# Altium PCB 稳压板STM32.PcbDoc (continued)
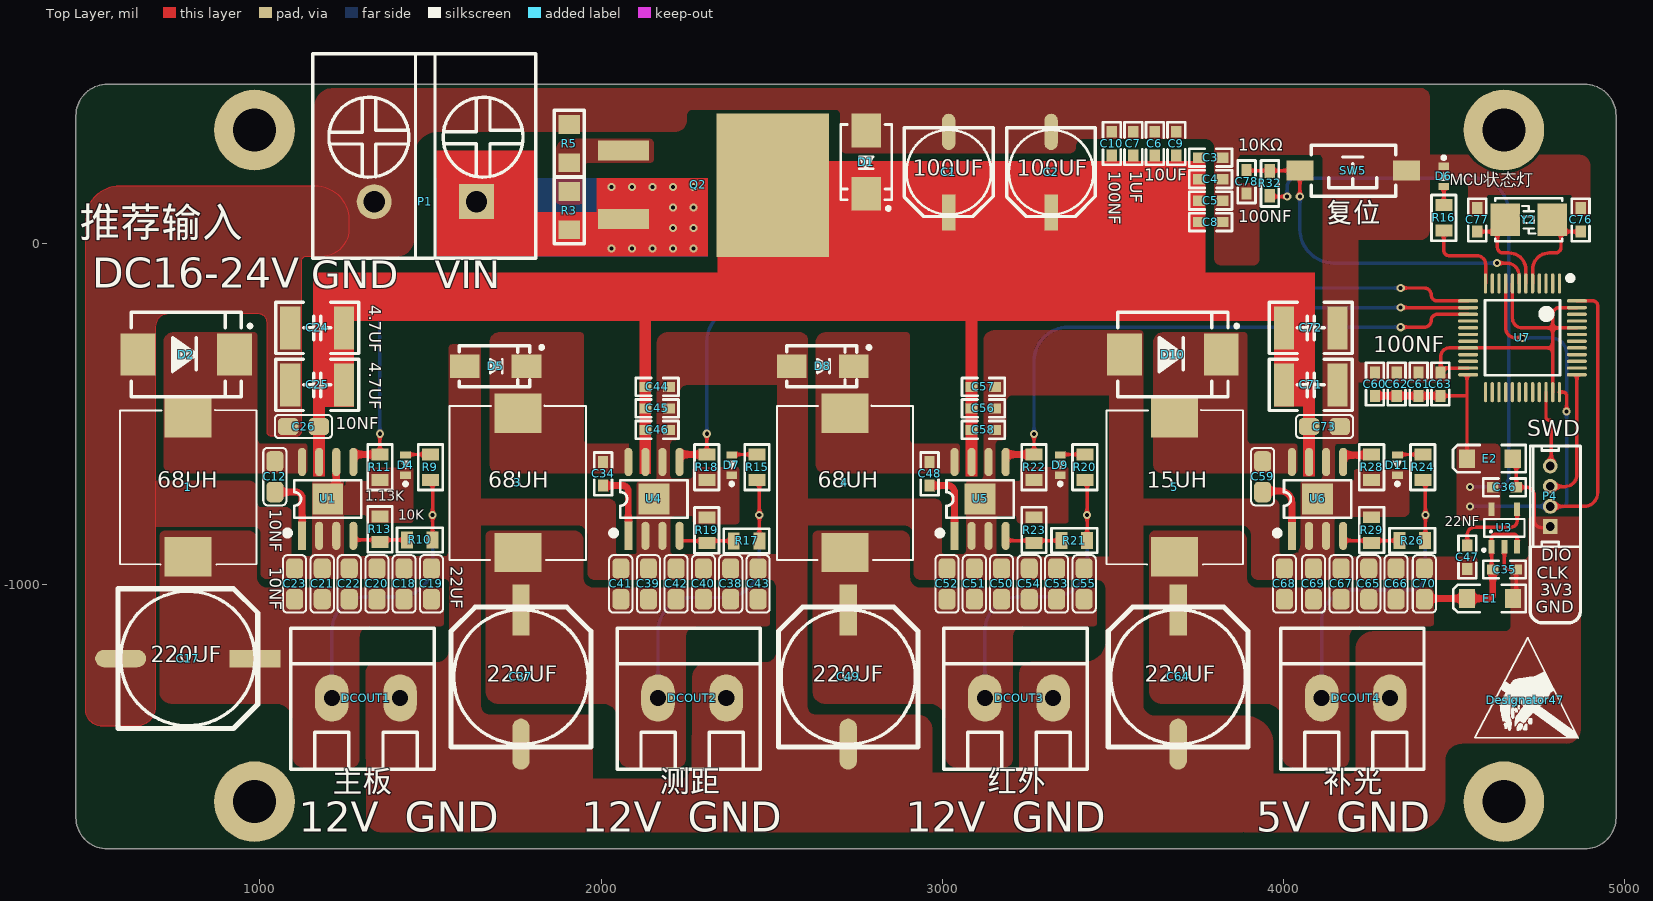
[diagram p0: Top Layer view]
## Nets (pads, with @x,y where several pads share a name; then routed paths per layer and width w, separated by ;. In a path a pad name is that pad's centre, name@x,y a point inside that pad or via, vN(x,y) a via of type N, cw(c..) or ccw(c..) an arc to the next point about the centre after c; other vN are vias at no path point)
4V_5A: 5.2 C35.2 C64.1 C65.1 C66.1 C67.1 C68.1 C69.1 C70.1 DCOUT4.1 E1.1 R24.1 R26.2 U3.1 U3.3 | length 1453.5
  Top Layer w10: R24.1 cw(c4408.37,-700.26) 4416,-700.26 v1(4416,-795) 4416,-869.08 cw(c4414.84,-869.08) R26.2 ; C70.1 cw(c4414.96,-1042) C70.1@4414.96,-1040.02 ; C35.2 cw(c4613.37,-951.63) 4610,-951.63 U3.1 4610,-863 cw(c4621,-863) 4621,-852 4676.8,-852 cw(c4676.8,-860) 4684.8,-860 U3.3
  Top Layer w20: C70.1@4414.96,-1040.02 E1.1 4601,-1040.02 ccw(c4601,-1027.65) 4613.37,-1027.65 C35.2
  Bottom Layer w10: DCOUT4.1 4112,-1106 cw(c4203,-1106) 4203,-1015 4370,-1015 ccw(c4370,-969) 4416,-969 v1(4416,-795)
12V_2A: 1.2 C17.1 C18.1 C19.1 C20.1 C21.1 C22.1 C23.1 DCOUT1.1 R9.1 R10.2 | length 925.5
  Top Layer w10: R9.1 cw(c1499.96,-699.1) 1506.42,-699.1 v1(1506.42,-795) R10.2
  Bottom Layer w10: DCOUT1.1 1211,-1135 cw(c1311,-1135) 1311,-1035 1406.42,-1035 ccw(c1406.42,-935) 1506.42,-935 v1(1506.42,-795)
12V_150mA: 4.2 C49.1 C50.1 C51.1 C52.1 C53.1 C54.1 C55.1 DCOUT3.1 R20.1 R21.2 | length 931.5
  Top Layer w10: R20.1 cw(c3417.94,-699.1) 3424.4,-699.1 v1(3424.4,-795) R21.2
  Bottom Layer w10: DCOUT3.1 3125,-1135 cw(c3225,-1135) 3225,-1035 3324.4,-1035 ccw(c3324.4,-935) 3424.4,-935 v1(3424.4,-795)
12V_600mA: 3.2 C37.1 C38.1 C39.1 C40.1 C41.1 C42.1 C43.1 DCOUT2.1 R15.1 R17.2 | length 929.9
  Top Layer w10: R15.1 cw(c2457.34,-699.1) 2463.8,-699.1 v1(2463.8,-795) R17.2
  Bottom Layer w10: DCOUT2.1 2167,-1137 cw(c2267,-1137) 2267,-1037 2363.8,-1037 ccw(c2363.8,-937) 2463.8,-937 v1(2463.8,-795)
DGND: C1.2 C2.2 C3.2 C4.2 C5.2 C6.2 C7.2 C8.2 C9.2 C10.2 C17.2 C18.2 C19.2 C20.2 C21.2 C22.2 C23.2 C24.1 C25.1 C26.1 C35.1 C36.1 C37.2 C38.2 C39.2 C40.2 C41.2 C42.2 C43.2 C44.1 C45.1 C46.1 C47.1 C49.2 C50.2 C51.2 C52.2 C53.2 C54.2 C55.2 C56.1 C57.1 C58.1 C60.2 C61.2 C62.2 C63.2 C64.2 C65.2 C66.2 C67.2 C68.2 C69.2 C70.2 C71.1 C72.1 C73.1 C76.2 C77.2 C78.1 D1.1 D2.1 D4.2 D5.1 D6.2 D7.2 D8.1 D9.2 D10.1 D11.2 DCOUT1.2 DCOUT2.2 DCOUT3.2 DCOUT4.2 E1.2 E2.2 P1.2 P4.1 R5.1 R11.2 R13.2 R18.2 R19.2 R22.2 R23.2 R28.2 R29.2 SW5.1 U1.2 U1.3 U1.6 U1.9 U3.2 U4.2 U4.3 U4.6 U4.9 U5.2 U5.3 U5.6 U5.9 U6.2 U6.3 U6.6 U6.9 U7.8 U7.20 U7.23 U7.35 U7.44 U7.47 | length 1702.9
  Top Layer w10: U1.9@1199,-748.27 ccw(c1199,-723.27) U1.9@1224,-723.27 ; C63.2 ccw(c4460,-375.97) 4461,-375.97 C63.2@4461,-372.09 ; U7.23 4472.39,-364.58 ccw(c4472.39,-376.97) C63.2@4461,-372.09 ; U3.2 4647.4,-942.4 ccw(c4660,-942.4) 4660,-955 C35.1 4682.37,-1030.01 cw(c4672.36,-1030.01) E1.2 ccw(c4674.35,-1040.02) E1.2@4674.35,-1042 ; U7.8 4671.09,-218.09 ccw(c4700,-218.09) 4700,-247 4789.2,-247 ; E2.2 cw(c4671.93,-640.68) 4682.37,-640.68 C36.1 4712,-714 cw(c4712,-737) 4735,-737 4735,-811 ccw(c4756,-811) 4756,-832 4779.06,-832 ccw(c4779.06,-829.06) P4.1 ; U7.35 4789.2,-305.53 ; U7.44 4859.91,-247 4789.2,-247 ; U7.47 4808.78,-187.42 ccw(c4808.78,-207) 4789.2,-207 4789.2,-247 ; C63.2@4461,-372.09 4461,-331 cw(c4486.47,-331) 4486.47,-305.53 U7.20 4789.2,-305.53 ; 4789.2,-305.53 4789.2,-247
  Top Layer w20: C24.1@1083,-253.36 cw(c1089.35,-253.36) C24.1 ; U1.9@1224,-723.27 U1.6@1224,-640
MCU-3.3V: C36.2 C60.1 C61.1 C62.1 C63.1 E2.1 P4.2 R32.2 U3.5 U7.9 U7.24 U7.36 U7.48 | length 4172.3
  Top Layer w10: R32.2 3959.5,140 3961.5,138 v1(4011,138) ; C63.1 4536.1,-445.97 ccw(c4536.1,-444) 4538.07,-444 ; E2.1@4538.5,-630.24 E2.1 4538.07,-444 ; U7.24 ccw(c4541.32,-387.52) 4538.07,-387.52 4538.07,-444 ; C36.2@4610,-717.37 cw(c4613.37,-717.37) C36.2 ; U7.9 4651.4,-247.4 ccw(c4680,-247.4) 4680,-276 v1(4701,-276) ; P4.2 4881,-770 ccw(c4881,-730) 4921,-730 4921,-182 ccw(c4906.73,-182) 4906.73,-167.73 U7.48 ; U7.36 4819.29,-435.29 cw(c4819.29,-446) 4830,-446 v1(4830,-492)
  Top Layer w20: C60.1 C62.1 C61.1 C63.1
  Bottom Layer w10: v1(4011,138) 4011,168 cw(c4035,168) 4035,192 4560,192 cw(c4560,92) 4660,92 4660,-683 cw(c4630,-683) 4630,-713 v1(4547,-713) ; v1(4701,-276) 4784.24,-276 cw(c4784.24,-321.76) 4830,-321.76 v1(4830,-492) 4830,-757 cw(c4816,-757) 4816,-771 4783,-771 cw(c4783,-770) P4.2 v1(4547,-770) ; v1(4547,-770) ccw(c4547,-773) 4544,-773 v1(4547,-770)
MCU-RESET: C78.2 R32.1 SW5.2 U7.7 | length 1071.9
  Top Layer w10: C78.2 ccw(c3894,216) 3894,214 SW5.2 v1(4048,138) ; v1(4626,-57) 4654,-57 cw(c4654,-93.77) 4690.77,-93.77 U7.7
  Bottom Layer w10: v1(4048,138) 4048,43 ccw(c4148,43) 4148,-57 v1(4626,-57)
Net1_1: 1.1 C12.1 D2.2 U1.8
Net3_1: 3.1 C34.1 D5.2 U4.8
Net4_1: 4.1 C48.1 D8.2 U5.8
Net5_1: 5.1 C59.1 D10.2 U6.8
NetC12_2: C12.2 U1.1 | length 200.5
  Top Layer w20: C12.2 1105.96,-728 cw(c1105.96,-746.04) 1124,-746.04 U1.1
NetC34_2: C34.2 U4.1 | length 215.5
  Top Layer w10: U4.1 ccw(c2080,-855.27) U4.1@2081,-855.27
  Top Layer w20: C34.2 2063,-709 cw(c2063,-726) 2080,-726 U4.1
NetC47_2: C47.2 U3.4 | length 235.7
  Top Layer w10: C47.2 4538.5,-884 4538.5,-853 cw(c4560.5,-853) 4560.5,-831 4667,-831 ccw(c4667,-813.2) 4684.8,-813.2 U3.4
NetC48_2: C48.2 U5.1 | length 212
  Top Layer w20: C48.2 3016,-709 cw(c3016,-729) 3036,-729 U5.1
NetC59_2: C59.2 U6.1 | length 204.7
  Top Layer w20: C59.2 cw(c3942,-728) 3942,-725 3991,-725 cw(c3991,-759) 4025,-759 U6.1
NetD4_1: D4.1 R9.2 | length 73.9
  Top Layer w10: D4.1 cw(c1428.64,-619.47) 1428.64,-617.83 R9.2
NetD6_1: D6.1 R16.2 | length 54.7
  Top Layer w10: R16.2 D6.1
NetD7_1: D7.1 R15.2 | length 75.3
  Top Layer w10: D7.1 cw(c2384.64,-619.47) 2384.64,-617.83 R15.2
NetD9_1: D9.1 R20.2 | length 72.9
  Top Layer w10: D9.1 cw(c3347.64,-619.47) 3347.64,-617.83 R20.2
NetD11_1: D11.1 R24.2 | length 75.3
  Top Layer w10: D11.1 cw(c4335.64,-619.47) 4335.64,-617.83 R24.2
NetQ2_1: Q2.1 R3.1 R5.2
NetR10_1: R10.1 R13.1 U1.4 | length 167.8
  Top Layer w10: U1.4@1274,-868.24 R13.1@1358.48,-868.24 ; R13.1 cw(c1358.48,-874.71) R13.1@1358.48,-868.24 ; R10.1 R13.1@1358.48,-868.24
NetR17_1: R17.1 R19.1 U4.4 | length 167.5
  Top Layer w10: U4.4 ccw(c2244.97,-856.27) 2244.97,-871.24 R17.1
NetR21_1: R21.1 R23.1 U5.4 | length 157.6
  Top Layer w10: U5.4@3191.98,-870.24 3276.45,-870.24 R21.1
NetR26_1: R26.1 R29.1 U6.4 | length 157.6
  Top Layer w10: U6.4@4182.42,-870.24 4266.9,-870.24 R26.1
NetR28_1: R28.1 U6.5 | length 80
  Top Layer w20: U6.5@4180.4,-619.82 4258.4,-619.82 R28.1
PA0-WKUP: U7.10
PA1: U7.11
PA2-LED: R16.1 U7.12 | length 259.7
  Top Layer w10: R16.1 4470,-20 ccw(c4485,-20) 4485,-35 4567,-35 cw(c4567,-60.35) 4592.35,-60.35 U7.12
PA3-EN: R11.1 U1.5 U7.13 | length 3755.7
  Top Layer w10: R11.1 v1(1352,-557) ; v1(4343.58,-130) 4413,-130 cw(c4413,-150) 4433,-150 ccw(c4450.73,-150) 4450.73,-167.73 U7.13
  Top Layer w20: U1.5 1274,-617.82 R11.1
  Bottom Layer w10: v1(1352,-557) 1352,-230 cw(c1452,-230) 1452,-130 v1(4343.58,-130)
PA4-EN: R18.1 U4.5 U7.14 | length 2720.7
  Top Layer w10: R18.1 v1(2310,-557) ; v1(4343.58,-187.42) U7.14
  Top Layer w20: U4.5 2230,-617.82 R18.1
  Bottom Layer w10: v1(2310,-557) 2310,-287.42 cw(c2410,-287.42) 2410,-187.42 v1(4343.58,-187.42)
PA5-EN: R22.1 U5.5 U7.15 | length 1729.1
  Top Layer w10: R22.1 v1(3269,-558) ; v1(4343.58,-244.83) 4413,-244.83 ccw(c4413,-224.83) 4433,-224.83 cw(c4450.73,-224.83) 4450.73,-207.1 U7.15
  Top Layer w20: U5.5 3186,-617.82 R22.1
  Bottom Layer w10: v1(3269,-558) 3269,-344.83 cw(c3369,-344.83) 3369,-244.83 v1(4343.58,-244.83)
PA6-EN: U7.16
PA7: U7.17
PA8: U7.29
PA9-TX: U7.30
PA10-RX: U7.31
PA11: U7.32
PA12: U7.33
PA15: U7.38
PB0: U7.18
PB1: U7.19
PB3: U7.39
PB4: U7.40
PB5: U7.41
PB6-EN: U7.42
PB7-EN: U7.43
PB8-EN: U7.45
PB9-EN: U7.46
PB10-SCL: U7.21
PB11-SDA: U7.22
PB12-KEY: U7.25
PB13-KEY: U7.26
PB14-KEY: U7.27
PB15-KEY: U7.28
PC13: U7.2
PC14-OSC32-IN: U7.3
PC15-OSC32-OUT: U7.4
PD0-OSC-IN: C76.1 U7.5 Y2.2 | length 311.2
  Top Layer w10: U7.5 4730.14,-76.46 cw(c4779.6,-76.46) 4779.6,-27 4797.39,-27 ccw(c4797.39,-11) 4813.39,-11 Y2.2@4813.39,36.31 ; Y2.2 ccw(c4822.88,69.99) Y2.2@4813.39,36.31 ; C76.1 4822.88,35 cw(c4822.88,69.99) Y2.2@4813.39,36.31
PD1-OSC-OUT: C77.1 U7.6 Y2.1 | length 311.1
  Top Layer w10: C77.1 4615.12,35 ccw(c4615.12,69.99) Y2.1@4627.2,37.15 ; Y2.1 cw(c4615.12,69.99) Y2.1@4627.2,37.15 ; U7.6 4710.46,-76.46 ccw(c4661,-76.46) 4661,-27 4643.2,-27 cw(c4643.2,-11) 4627.2,-11 Y2.1@4627.2,37.15
SWD-CLK: P4.3 U7.37 | length 391.3
  Top Layer w10: P4.3 ccw(c4783.06,-710.94) 4783.06,-712 4825,-712 ccw(c4825,-677.09) 4859.91,-677.09 U7.37
SWD-DIO: P4.4 U7.34 | length 227.2
  Top Layer w10: U7.34 4769.51,-508.51 ccw(c4778,-508.51) 4778,-517 cw(c4778,-524) 4785,-524 4785,-648.89 cw(c4782,-648.89) P4.4
VCC-24V: C1.1 C2.1 C3.1 C4.1 C5.1 C6.1 C7.1 C8.1 C9.1 C10.1 C24.2 C25.2 C26.2 C44.2 C45.2 C46.2 C56.2 C57.2 C58.2 C71.2 C72.2 C73.2 D1.2 Q2.4 U1.7 U4.7 U5.7 U6.7
VIN-24V: P1.1 Q2.3 R3.2
  other v1: 2031,-14 2031,-14 2091,-14 2091,-14 2091,-14 2151,-14 2151,-14 2151,-14 2211,-14 2211,-14 2211,-14 2211,-14 2211,-14 2211,-14 2211,-14 2211,-14 2211,-14 2211,-14 2211,-14 2271,-14 2271,-14 2271,-14 2211,46 2211,46 2211,46 2211,46 2211,46 2271,46 2271,46 2271,46 2271,46 2271,46 2271,46 2271,46 2211,106 2211,106 2211,106 2211,106 2211,106 2211,106 2211,106 2271,106 2271,106 2271,106 2271,106 2271,106 2031,166 2031,166 2091,166 2091,166 2091,166 2151,166 2151,166 2151,166 2211,166 2211,166 2211,166 2211,166 2211,166 2211,166 2211,166 2271,166 2271,166 2271,166 2271,166 2271,166 2271,166 2271,166
pads on no net: U7.1

## Polygon pours and split planes (outlines as drawn)
DGND on Top Layer "NONET_L01_P-001" (solid, remove dead copper, pour order 286): 4115,-394 4115,247 ccw(c4101,247) 4101,261 cw(c4101,276) 4086,276 4086,288 cw(c4104,288) 4104,306 4156.95,306 cw(c4156.95,243.95) 4219,243.95 4219,-340 ccw(c4228,-340) 4228,-349 4483,-349 cw(c4483,-355) 4489,-355 4489,-401 cw(c4484,-401) 4484,-406 4142,-406 ccw(c4142,-415) 4133,-415
DGND on Top Layer "NONET_L01_P-001" (solid, remove dead copper, pour order 284): 1158,-38 1401,-38 ccw(c1401,12) 1451,12 1451,255 cw(c1524,255) 1524,328 2218,328 ccw(c2218,361) 2251,361 2251,375 cw(c2269,375) 2269,393 2686,393 cw(c2686,378) 2701,378 2701,281 ccw(c2717,281) 2717,265 3373,265 ccw(c3373,284) 3392,284 3392,288 cw(c3411,288) 3411,307 3772,307 cw(c3772,282) 3797,282 3797,-42.27 ccw(c3817.73,-42.27) 3817.73,-63 3912,-63 ccw(c3912,-46) 3929,-46 3929,159.72 ccw(c3911.72,159.72) 3911.72,177 3876,177 cw(c3876,187) 3866,187 3866,247 cw(c3880,247) 3880,261 4101,261 cw(c4101,234) 4128,234 4128,66 ccw(c4183,66) 4183,11 4400,11 ccw(c4400,40) 4429,40 4429,429 ccw(c4402,429) 4402,456 1214,456 ccw(c1214,402) 1160,402 1160,63 ccw(c1174,63) 1174,49
no net on Top Layer "NONET_L01_P-001" (solid, pour order 278): 732,-206 ccw(c732,-244) 694,-244 694,-1356 cw(c635,-1356) 635,-1415 538.72,-1415 cw(c538.72,-1366.28) 490,-1366.28 490,70 cw(c590,70) 590,170 1161,170 cw(c1161,70) 1261,70 1261,43 cw(c1180,43) 1180,-38 1136,-38 ccw(c1136,-53) 1121,-53 1121,-552 cw(c1109,-552) 1109,-564 1033,-564 cw(c1033,-552) 1021,-552 1021,-231 ccw(c996,-231) 996,-206
DGND on Top Layer "NONET_L01_P-001" (solid, pour order 272): 732,-206 ccw(c732,-244) 694,-244 694,-1356 cw(c635,-1356) 635,-1415 538.72,-1415 cw(c538.72,-1366.28) 490,-1366.28 490,70 cw(c590,70) 590,170 1161,170 cw(c1161,70) 1261,70 1261,43 cw(c1180,43) 1180,-38 1136,-38 ccw(c1136,-53) 1121,-53 1121,-552 cw(c1109,-552) 1109,-564 1033,-564 cw(c1033,-552) 1021,-552 1021,-231 ccw(c996,-231) 996,-206
DGND on Top Layer "NONET_L01_P-001" (solid, pour order 276): 4219,260.75 4867.25,260.75 cw(c4867.25,229) 4899,229 4899,88 cw(c4892,88) 4892,81 4853,81 cw(c4853,87) 4847,87 4847,135 ccw(c4838,135) 4838,144 4605,144 ccw(c4605,133) 4594,133 4594,87 cw(c4586,87) 4586,79 4552,79 cw(c4552,89) 4542,89 4542,165 ccw(c4519,165) 4519,188 4203.76,188 cw(c4203.76,192) 4199.76,192
DGND on Top Layer "NONET_L01_P-001" (solid, pour order 274): 668,-694.24 966.72,-694.24 cw(c966.72,-719) 991.48,-719 991.48,-758.48 ccw(c1006,-758.48) 1006,-773 1079,-773 cw(c1079,-786) 1092,-786 1092,-964.61 cw(c1074.61,-964.61) 1074.61,-982 1018,-982 cw(c1018,-967) 1003,-967 1003,-849.06 ccw(c983,-849.06) 983,-829.06 672.06,-829.06 cw(c672.06,-809) 652,-809
MCU-3.3V on Top Layer "NONET_L01_P-001" (solid, remove dead copper, pour order 268): 4635,-799 cw(c4623,-799) 4623,-811 4523.23,-811 cw(c4523.23,-795.83) 4508.07,-795.83 4508.07,-598.07 cw(c4520,-598.07) 4520,-586.13 4619.13,-586.13 cw(c4619.13,-602) 4635,-602
DGND on Top Layer "NONET_L01_P-001" (solid, remove dead copper, pour order 266): 3880.35,-1725 4374,-1725 ccw(c4374,-1625) 4474,-1625 4474,-1514 cw(c4522,-1514) 4522,-1466 4826,-1466 ccw(c4826,-1420) 4872,-1420 4872,-807 ccw(c4864.91,-807) 4864.91,-799.91 4725.52,-799.91 ccw(c4725.52,-806.43) 4719,-806.43 4719,-908 cw(c4701,-908) 4701,-926 4670,-926 ccw(c4670,-930) 4666,-930 4666,-1120.1 cw(c4650.1,-1120.1) 4650.1,-1136 4265,-1136 ccw(c4265,-1189) 4212,-1189 4212,-1539 cw(c4198,-1539) 4198,-1553 3925.02,-1553 ccw(c3925.02,-1556) 3922.02,-1556
DGND on Top Layer "NONET_L01_P-001" (solid, pour order 264): 4115,-394 4115,-679 cw(c4098,-679) 4098,-696 4058,-696 ccw(c4058,-704) 4050,-704 4050,-882.05 cw(c4021.38,-882.05) 4021.38,-910.67 4015.25,-910.67 ccw(c4015.25,-923) 4002.92,-923 4002.92,-963.17 ccw(c4024.66,-963.17) 4024.66,-984.91 4555.09,-984.91 ccw(c4555.09,-972) 4568,-972 4568,-928.95 ccw(c4557,-928.95) 4557,-917.95 4160.95,-917.95 cw(c4160.95,-906) 4149,-906 4149,-812.91 cw(c4162,-812.91) 4162,-799.91 4354.09,-799.91 ccw(c4354.09,-786) 4368,-786 4368,-670.01 ccw(c4359,-670.01) 4359,-661.01 4214.99,-661.01 ccw(c4214.99,-669) 4207,-669 4207,-688 cw(c4198,-688) 4198,-697 4155.37,-697 cw(c4155.37,-692.63) 4151,-692.63 4151,-593 cw(c4158,-593) 4158,-586 4212,-586 ccw(c4212,-579) 4219,-579 4219,-356 ccw(c4210,-356) 4210,-347
DGND on Top Layer "NONET_L01_P-001" (solid, pour order 254): 3589,-425 3589,-1401 cw(c3543,-1401) 3543,-1447 cw(c3543,-1393) 3489,-1393 3489,-368
no net on Top Layer "NONET_L01_P-001" (solid, pour order 252): 3586,-945
DGND on Top Layer "NONET_L01_P-001" (solid, pour order 250): 3585,-825 3875,-825 cw(c3875,-856) 3906,-856 3906,-964.91 ccw(c3926,-964.91) 3926,-984.91 4022.09,-984.91 ccw(c4022.09,-972) 4035,-972 4035,-927.67 ccw(c4018,-927.67) 4018,-910.67 3995.91,-910.67 cw(c3995.91,-902.76) 3988,-902.76 3988,-769 ccw(c3966,-769) 3966,-747 3570,-747 ccw(c3570,-763) 3554,-763
DGND on Top Layer "NONET_L01_P-001" (solid, pour order 248): 2596,-825 2886,-825 cw(c2886,-856) 2917,-856 2917,-964.91 ccw(c2937,-964.91) 2937,-984.91 3033.09,-984.91 ccw(c3033.09,-972) 3046,-972 3046,-927.67 ccw(c3029,-927.67) 3029,-910.67 3006.91,-910.67 cw(c3006.91,-902.76) 2999,-902.76 2999,-769 ccw(c2977,-769) 2977,-747 2581,-747 ccw(c2581,-763) 2565,-763
DGND on Top Layer "NONET_L01_P-001" (solid, pour order 246): 1640,-825 1930,-825 cw(c1930,-856) 1961,-856 1961,-964.91 ccw(c1981,-964.91) 1981,-984.91 2077.09,-984.91 ccw(c2077.09,-972) 2090,-972 2090,-927.67 ccw(c2073,-927.67) 2073,-910.67 2050.91,-910.67 cw(c2050.91,-902.76) 2043,-902.76 2043,-769 ccw(c2021,-769) 2021,-747 1625,-747 ccw(c1625,-763) 1609,-763
DGND on Top Layer "NONET_L01_P-001" (solid, pour order 242): 3225,-1263 cw(c3263,-1263) 3263,-1225 3419,-1225 ccw(c3419,-1165) 3479,-1165 3479,-1013 ccw(c3451,-1013) 3451,-985 2997,-985 cw(c2997,-966) 2978,-966 2978,-922 cw(c2990,-922) 2990,-910 3059,-910 ccw(c3059,-898) 3071,-898 3071,-704 cw(c3081,-704) 3081,-694 3107,-694 ccw(c3107,-680) 3121,-680 3121,-285 cw(c3152,-285) 3152,-254 3578.66,-254 cw(c3578.66,-264.34) 3589,-264.34 3589,-425 cw(c3570,-425) 3570,-444 3207,-444 ccw(c3207,-464) 3187,-464 3187,-563.25 cw(c3174,-563.25) 3174,-576.25 3166.75,-576.25 ccw(c3166.75,-587) 3156,-587 3156,-690 ccw(c3163,-690) 3163,-697 3222,-697 ccw(c3222,-690) 3229,-690 3229,-663.58 cw(c3238,-663.58) 3238,-654.58 3361.98,-654.58 cw(c3361.98,-662.61) 3370,-662.61 3370,-810.07 cw(c3361,-810.07) 3361,-819.07 3227.77,-819.07 cw(c3227.77,-809) 3217.7,-809 3217.7,-803.7 ccw(c3211,-803.7) 3211,-797 3166,-797 ccw(c3166,-804) 3159,-804 3159,-910 ccw(c3167,-910) 3167,-918 3559,-918 cw(c3559,-945) 3586,-945 3586,-1344.05 ccw(c3625.95,-1344.05) 3625.95,-1384 3887.5,-1384 cw(c3887.5,-1467) 3970.5,-1467 3970.5,-1625 cw(c3870.5,-1625) 3870.5,-1725 2879,-1725 cw(c2879,-1683) 2837,-1683 2837,-1650 cw(c2937,-1650) 2937,-1550 3211,-1550 ccw(c3211,-1536) 3225,-1536
no net on Top Layer "NONET_L01_P-001" (solid, pour order 240): 2880.85,-1725
no net on Top Layer "NONET_L01_P-001" (solid, pour order 238): 2880.85,-1725
DGND on Top Layer "NONET_L01_P-001" (solid, pour order 234): 2606,-930 2606,-283.34 ccw(c2582.66,-283.34) 2582.66,-260 ccw(c2582.66,-326.66) 2516,-326.66 2516,-928 ccw(c2537,-928) 2537,-949
DGND on Top Layer "NONET_L01_P-001" (solid, pour order 232): 2267.01,-1348.24 2267.01,-1273.82 cw(c2314.01,-1273.82) 2314.01,-1226.82 2483.18,-1226.82 ccw(c2483.18,-1197) 2513.01,-1197 2513.01,-1004.53 ccw(c2493.01,-1004.53) 2493.01,-984.53 2034.53,-984.53 cw(c2034.53,-970) 2020.01,-970 2020.01,-923.67 cw(c2033.01,-923.67) 2033.01,-910.67 2096.34,-910.67 ccw(c2096.34,-902) 2105.01,-902 2105.01,-704.76 cw(c2113.01,-704.76) 2113.01,-696.76 2151.24,-696.76 ccw(c2151.24,-685) 2163.01,-685 2163.01,-292 cw(c2195.01,-292) 2195.01,-260 2579.01,-260 cw(c2579.01,-287) 2606.01,-287 2606.01,-404 cw(c2596.01,-404) 2596.01,-414 2252.01,-414 ccw(c2252.01,-436) 2230.01,-436 2230.01,-562 cw(c2216.01,-562) 2216.01,-576 2214.76,-576 ccw(c2214.76,-588.76) 2202.01,-588.76 2202.01,-679 ccw(c2212.01,-679) 2212.01,-689 2259.01,-689 ccw(c2259.01,-679) 2269.01,-679 2269.01,-664.58 cw(c2279.01,-664.58) 2279.01,-654.58 2396.98,-654.58 cw(c2396.98,-662.61) 2405.01,-662.61 2405.01,-812 cw(c2395.01,-812) 2395.01,-822 2277.01,-822 cw(c2277.01,-814) 2269.01,-814 2269.01,-803.08 ccw(c2263.92,-803.08) 2263.92,-798 2213.01,-798 ccw(c2213.01,-808) 2203.01,-808 2203.01,-901 ccw(c2212.01,-901) 2212.01,-910 2585.01,-910 cw(c2585.01,-930) 2605.01,-930 2605.01,-1357 ccw(c2628.01,-1357) 2628.01,-1380 2926.01,-1380 cw(c2926.01,-1425) 2971.01,-1425 2971.01,-1625 cw(c2871.01,-1625) 2871.01,-1725 1954.01,-1725 1954.01,-1586.41 cw(c1972.42,-1586.41) 1972.42,-1568 2229.01,-1568 ccw(c2229.01,-1531) 2266.01,-1531
DGND on Top Layer "NONET_L01_P-001" (solid, remove dead copper, pour order 228): 1241.99,-696 1314,-696 ccw(c1314,-690) 1320,-690 1320,-665 cw(c1328,-665) 1328,-657 1443,-657 cw(c1443,-664) 1450,-664 1450,-810 cw(c1442,-810) 1442,-818 1319,-818 cw(c1319,-811) 1312,-811 1312,-801 ccw(c1306,-801) 1306,-795 1207,-795 cw(c1207,-791) 1203,-791
no net on Top Layer "NONET_L01_P-001" (solid, pour order 226): 1241.99,-696
DGND on Top Layer "NONET_L01_P-001" (solid, remove dead copper, pour order 224): 1311,-1339 1311,-1255 cw(c1339,-1255) 1339,-1227 1518,-1227 ccw(c1518,-1190) 1555,-1190 1555,-997 ccw(c1540,-997) 1540,-982 1077,-982 cw(c1077,-970) 1065,-970 1065,-927 cw(c1076,-927) 1076,-916 1144,-916 ccw(c1144,-906) 1154,-906 1154,-701 cw(c1159,-701) 1159,-696 1241,-696 cw(c1241,-701) 1246,-701 1246,-907 ccw(c1255,-907) 1255,-916 1541,-916 ccw(c1541,-904) 1553,-904 1553,-308 cw(c1566,-308) 1566,-295 1638,-295 cw(c1638,-304) 1647,-304 1647,-1351 ccw(c1677,-1351) 1677,-1381 1959,-1381 cw(c1959,-1398) 1976,-1398 1976,-1725 1355,-1725 cw(c1355,-1682) 1312,-1682
4V_5A on Top Layer "NONET_L01_P-001" (solid, remove dead copper, pour order 222): 3867.48,-842 cw(c3867.48,-867) 3892.48,-867 3892.48,-977.48 ccw(c3923,-977.48) 3923,-1008 4426,-1008 cw(c4426,-1022) 4440,-1022 4440,-1112 cw(c4430,-1112) 4430,-1122 4225,-1122 ccw(c4225,-1154) 4193,-1154 4193,-1510 cw(c4167,-1510) 4167,-1536 4031,-1536 cw(c4031,-1502) 3997,-1502 3997,-1398 ccw(c3947,-1398) 3947,-1348 3643,-1348 cw(c3643,-1312) 3607,-1312 3607,-856.96 cw(c3621.96,-856.96) 3621.96,-842
12V_150mA on Top Layer "NONET_L01_P-001" (solid, remove dead copper, pour order 220): 2880.48,-842 cw(c2880.48,-867) 2905.48,-867 2905.48,-977.48 ccw(c2936,-977.48) 2936,-1008 3439,-1008 cw(c3439,-1022) 3453,-1022 3453,-1112 cw(c3443,-1112) 3443,-1122 3238,-1122 ccw(c3238,-1154) 3206,-1154 3206,-1510 cw(c3180,-1510) 3180,-1536 3044,-1536 cw(c3044,-1502) 3010,-1502 3010,-1398 ccw(c2960,-1398) 2960,-1348 2656,-1348 cw(c2656,-1312) 2620,-1312 2620,-856.96 cw(c2634.96,-856.96) 2634.96,-842
12V_600mA on Top Layer "NONET_L01_P-001" (solid, remove dead copper, pour order 218): 1922.48,-842 cw(c1922.48,-867) 1947.48,-867 1947.48,-977.48 ccw(c1978,-977.48) 1978,-1008 2481,-1008 cw(c2481,-1022) 2495,-1022 2495,-1112 cw(c2485,-1112) 2485,-1122 2280,-1122 ccw(c2280,-1154) 2248,-1154 2248,-1510 cw(c2222,-1510) 2222,-1536 2086,-1536 cw(c2086,-1502) 2052,-1502 2052,-1398 ccw(c2002,-1398) 2002,-1348 1698,-1348 cw(c1698,-1312) 1662,-1312 1662,-856.96 cw(c1676.96,-856.96) 1676.96,-842
12V_2A on Top Layer "NONET_L01_P-001" (solid, remove dead copper, pour order 216): 966.48,-842 cw(c966.48,-867) 991.48,-867 991.48,-977.48 ccw(c1022,-977.48) 1022,-1008 1525,-1008 cw(c1525,-1022) 1539,-1022 1539,-1112 cw(c1529,-1112) 1529,-1122 1324,-1122 ccw(c1324,-1154) 1292,-1154 1292,-1510 cw(c1266,-1510) 1266,-1536 1130,-1536 cw(c1130,-1502) 1096,-1502 1096,-1398 ccw(c1046,-1398) 1046,-1348 742,-1348 cw(c742,-1312) 706,-1312 706,-856.96 cw(c720.96,-856.96) 720.96,-842
Net5_1 on Top Layer "NONET_L01_P-001" (solid, pour order 212): 3894,-574 ccw(c3907,-574) 3907,-587 4034,-587 cw(c4034,-593) 4040,-593 4040,-666 cw(c4033,-666) 4033,-673 3645,-673 cw(c3645,-647) 3619,-647 3619,-288 cw(c3647,-288) 3647,-260 3884,-260 cw(c3884,-270) 3894,-270
Net4_1 on Top Layer "NONET_L01_P-001" (solid, pour order 210): 2905,-574 ccw(c2918,-574) 2918,-587 3045,-587 cw(c3045,-593) 3051,-593 3051,-666 cw(c3044,-666) 3044,-673 2656,-673 cw(c2656,-647) 2630,-647 2630,-288 cw(c2658,-288) 2658,-260 2895,-260 cw(c2895,-270) 2905,-270
Net3_1 on Top Layer "NONET_L01_P-001" (solid, pour order 208): 1949,-574 ccw(c1962,-574) 1962,-587 2089,-587 cw(c2089,-593) 2095,-593 2095,-666 cw(c2088,-666) 2088,-673 1700,-673 cw(c1700,-647) 1674,-647 1674,-288 cw(c1702,-288) 1702,-260 1939,-260 cw(c1939,-270) 1949,-270
Net1_1 on Top Layer "NONET_L01_P-001" (solid, pour order 206): 993,-574 ccw(c1006,-574) 1006,-587 1133,-587 cw(c1133,-593) 1139,-593 1139,-666 cw(c1132,-666) 1132,-673 744,-673 cw(c744,-647) 718,-647 718,-288 cw(c746,-288) 746,-260 983,-260 cw(c983,-270) 993,-270
no net on Top Layer "NONET_L01_P-001" (solid, pour order 204): 3765,-102
no net on Top Layer "NONET_L01_P-001" (solid, pour order 202): 1156,-85
NetQ2_1 on Top Layer "NONET_L01_P-001" (solid, pour order 190): 1869.12,276.31 cw(c1900.12,276.31) 1900.12,307.31 2141.12,307.31 cw(c2141.12,294.31) 2154.12,294.31 2154.12,247.31 cw(c2144.12,247.31) 2144.12,237.31 1964.12,237.31 ccw(c1964.12,221.31) 1948.12,221.31 1948.12,127.31 cw(c1936.12,127.31) 1936.12,115.31 1879.12,115.31 cw(c1879.12,125.31) 1869.12,125.31
no net on Top Layer "NONET_L01_P-001" (solid, pour order 152): 4419,-626.5
no net on Top Layer "NONET_L01_P-001" (solid, pour order 116): 1737,-713.22
no net on Top Layer "NONET_L01_P-001" (solid, pour order 64): 1378,4607.95
no net on Top Layer "NONET_L01_P-001" (solid, pour order 32): 4438,231
no net on Top Layer "NONET_L01_P-001" (solid, pour order 28): 4438,231
no net on Top Layer "NONET_L01_P-001" (solid, pour order 26): 3089,7109.77
no net on Top Layer "NONET_L01_P-001" (solid, pour order 24): 2771,171
no net on Top Layer "NONET_L01_P-001" (solid, pour order 22): 2769,175.81
no net on Top Layer "NONET_L01_P-001" (solid, pour order 4): -77868.45,-427
DGND on Bottom Layer "NONET_L01_P-001" (solid, pour order 282): 598,92 cw(c698,92) 698,192 4779,192 cw(c4779,92) 4879,92 4879,-1415 cw(c4779,-1415) 4779,-1515 698,-1515 cw(c698,-1415) 598,-1415
no net on Bottom Layer "NONET_L01_P-001" (solid, pour order 186): 1517,-39
no net on Bottom Layer "NONET_L01_P-001" (solid, pour order 184): 3708,-147

## Other copper
Top Layer:
  rectangle net VCC-24V: 2342,-131 3771,243
  rectangle net VCC-24V: 1157,-226 4092,-85
  region net VCC-24V: 1276,-85 1156,-85 1156,-478 1276,-478
  rectangle net VCC-24V: 2112,-675.79 2147,-120.79
  rectangle net VCC-24V: 1156,-682 1191,-405
  rectangle net VCC-24V: 4057,-682 4092,-405
  rectangle net VCC-24V: 3068,-682 3103,-125
  rectangle net VCC-24V: 3972,-477 4092,-114
  rectangle net VIN-24V: 1987,-38 2313,193
  rectangle net VIN-24V: 1518,-38 2291,93
  rectangle net VIN-24V: 1518,-37 1803,272.77
Bottom Layer:
  rectangle net VIN-24V: 1517,-39 2313,193

## Silkscreen, mask and mechanical layers (free items; w line width, h text height)
Top Overlay:
  lines w10: 4722.94,-888.11 4722.94,-1075.94 ccw(c4758,-1075.94) 4758,-1111 4835.53,-1111 ccw(c4835.53,-1075.94) 4870.58,-1075.94 4870.58,-888.11
  text "10KΩ" at 3867,261 h60
  text "100NF" at 3476,212 h60 r270
  text "1UF" at 3540,212 h60 r270
  text "100UF" at 2914,183 h80
  text "100UF" at 3219,183 h80
  text "10UF" at 3592,173.37 h60
  text "MCU状态灯" at 4488,159 h60
  text "100NF" at 3867,51 h60
  text "复位" at 4124,43 h100
  text "推荐输入 /  DC16-24V" at 471,-159 h150
  text "GND   VIN" at 1151,-159 h140
  text "4.7UF" at 1308.97,-180 h60 r270
  text "100NF" at 4263,-335 h80
  text "4.7UF" at 1308.97,-348 h60 r270
  text "10NF" at 1223,-556 h60
  text "SWD" at 4714,-581 h80
  text "68UH" at 700,-732 h80
  text "68UH" at 1670,-732 h80
  text "68UH" at 2635,-732 h80
  text "15UH" at 3599,-732 h80
  text "1.13K" at 1309,-763 h50
  text "10NF" at 1018,-778 h60 r270
  text "10K" at 1406,-819 h50
  text "22NF" at 4473,-838 h50
  text "DIO" at 4754.89,-941 h60
  text "22UF" at 1548,-945 h60 r270
  text "10NF" at 1018,-947.89 h60 r270
  text "CLK" at 4742,-994 h60
  text "3V3" at 4752,-1044 h60
  text "GND" at 4739,-1094 h60
  text "220UF" at 681,-1243 h80
  text "220UF" at 1665,-1300 h80
  text "220UF" at 2621,-1300 h80
  text "220UF" at 3594,-1300 h80
  text "测距" at 2174,-1628.19 h110
  text "主板" at 1214,-1629.31 h110
  text "红外" at 3132,-1629 h110
  text "补光" at 4116,-1629.31 h110
  text "12V  GND" at 1114,-1753 h150
  text "12V  GND" at 1944,-1753 h150
  text "12V  GND" at 2893,-1753 h150
  text "5V  GND" at 3921,-1753 h150
Mechanical 1:
  the board outline again, w10